# Altium PCB AD9361_EXT.PcbDoc (part 5 of 9)
Units mil, origin at the board's own origin, x right, y up, seen from the top; angles counter-clockwise.
Board outline 3145.03 x 1955.03 mil, 2 copper layers (Top Layer, Bottom Layer); 53 components, 59 nets, 286 pads, 253 vias.
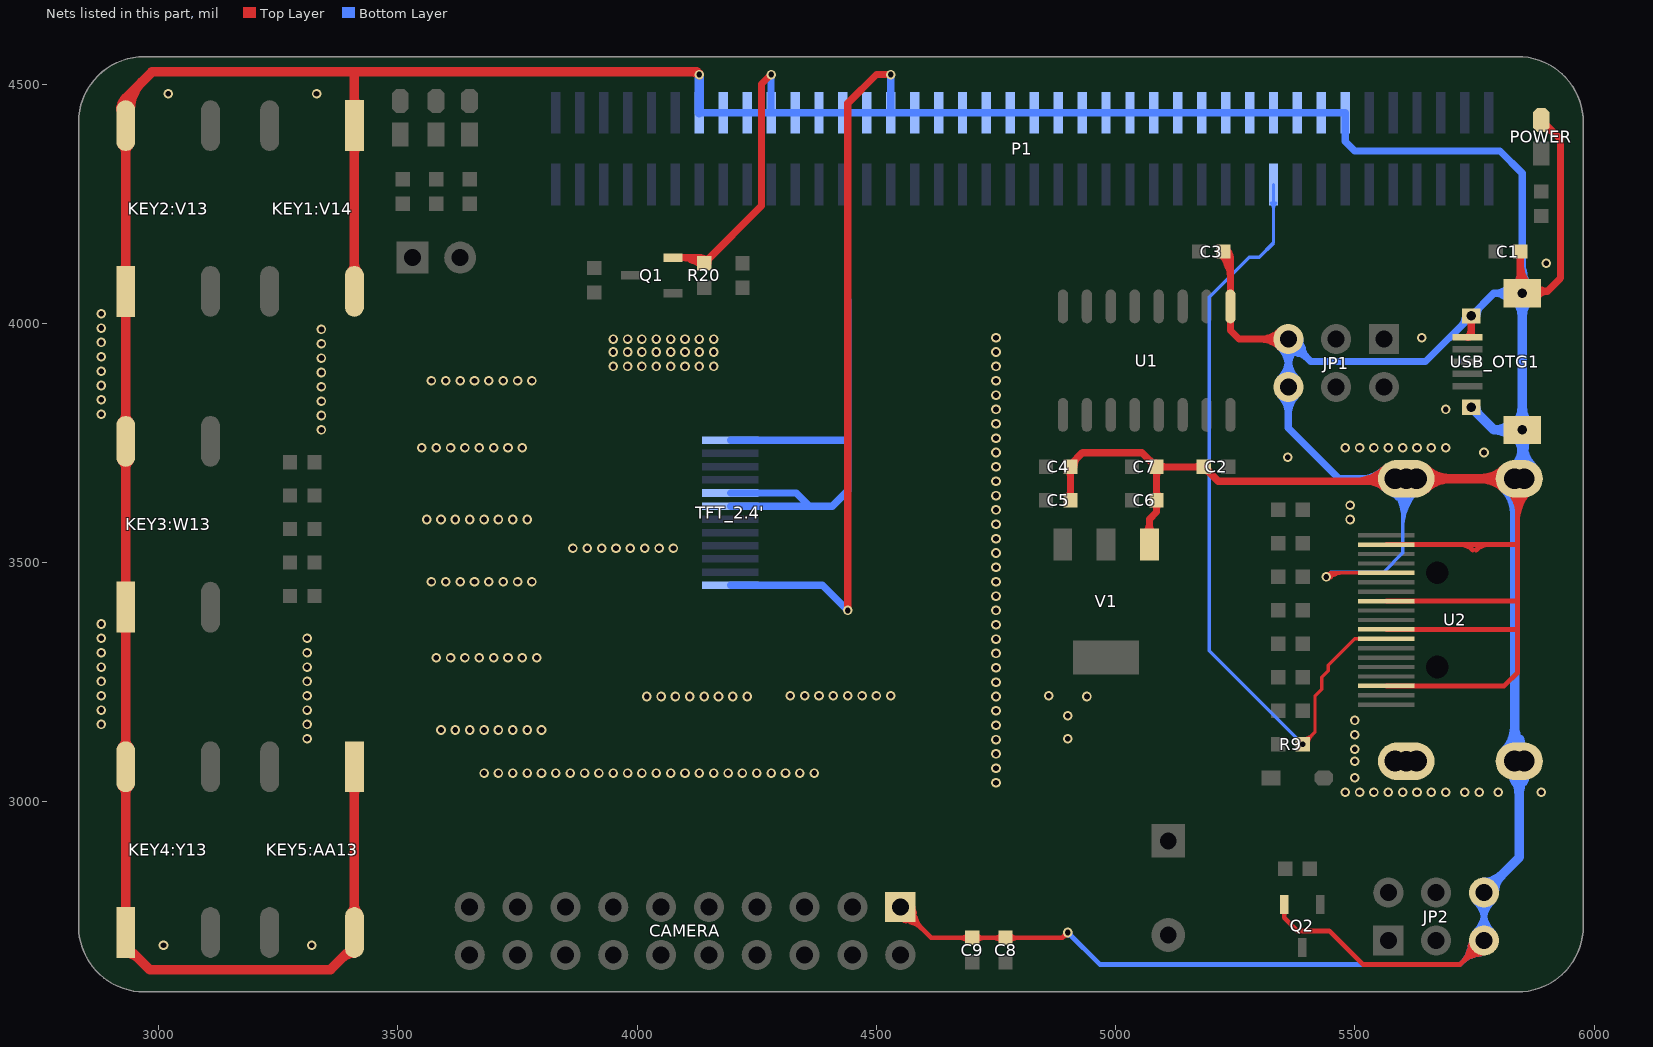
[diagram p5: the nets of this part, all layers, seen from the top]

## Via types
v1: diameter 20, hole 12, Top Layer to Bottom Layer, tented both sides, 253 vias

## Nets (pads, with @x,y where several pads share a name; then routed paths per layer and width w, separated by ;. In a path a pad name is that pad's centre, name@x,y a point inside that pad or via, vN(x,y) a via of type N, cw(c..) or ccw(c..) an arc to the next point about the centre after c; other vN are vias at no path point) (continued)
GND: (continued)
  Bottom Layer w20: P1.13@4130,4440 v1(4130,4520) ; USB_OTG1.5@5747.24,3824.53 5752.99,3818.78 5752.99,3814.84 5790.55,3777.28 USB_OTG1.5@5850,3777.28 ; JP2.6@5770,2810 5843.62,2883.62 U2.MH2@5843.62,3084.72 5833.94,3094.41 U2.MH3@5833.94,3675 U2.MH3@5833.66,3675.28 ; U2.MH3@5840.78,3688.15 U2.MH3@5850,3697.37 ; USB_OTG1.5@5850,4062.72 USB_OTG1.5@5850,3777.28 ; USB_OTG1.5@5752.99,3824.53 ccw(c5776.37,3824.53) 5759.84,3807.99 ; USB_OTG1.5@5752.99,3824.53 ccw(c5776.37,3824.53) 5759.84,3807.99 ; USB_OTG1.5@5752.99,3824.53 ccw(c5776.37,3824.53) 5759.84,3807.99 ; USB_OTG1.5@5752.99,3824.53 ccw(c5776.37,3824.53) 5759.84,3807.99 ; USB_OTG1.5@5752.99,3824.53 ccw(c5776.37,3824.53) 5759.84,3807.99 ; USB_OTG1.5@5752.99,3824.53 ccw(c5776.37,3824.53) 5759.84,3807.99 ; JP2.6@5770,2831.5 ccw(c5770,2883.39) 5806.7,2846.7 ; JP2.6@5770,2831.5 ccw(c5770,2883.39) 5806.7,2846.7 ; JP2.6@5770,2831.5 ccw(c5770,2883.39) 5806.7,2846.7 ; JP2.6@5770,2831.5 ccw(c5770,2883.39) 5806.7,2846.7 ; JP2.6@5791.5,2810 cw(c5843.39,2810) 5806.7,2846.7 ; JP2.6@5791.5,2810 cw(c5843.39,2810) 5806.7,2846.7 ; JP2.6@5791.5,2810 cw(c5843.39,2810) 5806.7,2846.7 ; JP2.6@5791.5,2810 cw(c5843.39,2810) 5806.7,2846.7 ; 5793.01,3777.28 cw(c5793.01,3730.14) USB_OTG1.5@5826.35,3763.48 ; 5793.01,3777.28 ccw(c5793.01,3824.43) USB_OTG1.5@5826.35,3791.09 ; 5793.01,3777.28 cw(c5793.01,3730.14) USB_OTG1.5@5826.35,3763.48 ; 5793.01,3777.28 ccw(c5793.01,3824.43) USB_OTG1.5@5826.35,3791.09 ; 5793.01,3777.28 cw(c5793.01,3730.14) USB_OTG1.5@5826.35,3763.48 ; 5793.01,3777.28 ccw(c5793.01,3824.43) USB_OTG1.5@5826.35,3791.09 ; 5793.01,3777.28 cw(c5793.01,3730.14) USB_OTG1.5@5826.35,3763.48 ; 5793.01,3777.28 ccw(c5793.01,3824.43) USB_OTG1.5@5826.35,3791.09 ; 5793.01,3777.28 cw(c5793.01,3730.14) USB_OTG1.5@5826.35,3763.48 ; 5793.01,3777.28 ccw(c5793.01,3824.43) USB_OTG1.5@5826.35,3791.09 ; 5793.01,3777.28 cw(c5793.01,3730.14) USB_OTG1.5@5826.35,3763.48 ; 5793.01,3777.28 ccw(c5793.01,3824.43) USB_OTG1.5@5826.35,3791.09 ; U2.MH2@5813.01,3105.49 ccw(c5762.49,3156.01) 5833.94,3156.01 ; U2.MH2@5813.01,3105.49 ccw(c5762.49,3156.01) 5833.94,3156.01 ; U2.MH2@5813.01,3105.49 ccw(c5762.49,3156.01) 5833.94,3156.01 ; U2.MH2@5813.01,3105.49 ccw(c5762.49,3156.01) 5833.94,3156.01 ; U2.MH2@5813.01,3105.49 ccw(c5762.49,3156.01) 5833.94,3156.01 ; U2.MH2@5813.01,3105.49 ccw(c5762.49,3156.01) 5833.94,3156.01 ; U2.MH3@5813.01,3654.51 cw(c5762.49,3603.99) 5833.94,3603.99 ; U2.MH3@5813.01,3654.51 cw(c5762.49,3603.99) 5833.94,3603.99 ; U2.MH3@5813.01,3654.51 cw(c5762.49,3603.99) 5833.94,3603.99 ; U2.MH3@5813.01,3654.51 cw(c5762.49,3603.99) 5833.94,3603.99 ; U2.MH3@5813.01,3654.51 cw(c5762.49,3603.99) 5833.94,3603.99 ; U2.MH3@5813.01,3654.51 cw(c5762.49,3603.99) 5833.94,3603.99 ; U2.MH2@5822.85,3063.96 cw(c5772.72,3013.82) 5843.62,3013.82 ; U2.MH2@5822.85,3063.96 cw(c5772.72,3013.82) 5843.62,3013.82 ; U2.MH2@5822.85,3063.96 cw(c5772.72,3013.82) 5843.62,3013.82 ; U2.MH2@5822.85,3063.96 cw(c5772.72,3013.82) 5843.62,3013.82 ; U2.MH2@5822.85,3063.96 cw(c5772.72,3013.82) 5843.62,3013.82 ; U2.MH2@5822.85,3063.96 cw(c5772.72,3013.82) 5843.62,3013.82 ; U2.MH2@5823.51,3062.82 cw(c5843.04,3074.1) U2.MH2@5828.59,3091.41 ; U2.MH2@5823.51,3062.82 cw(c5843.04,3074.1) U2.MH2@5828.59,3091.41 ; U2.MH2@5823.51,3062.82 cw(c5843.04,3074.1) U2.MH2@5828.59,3091.41 ; U2.MH2@5823.51,3062.82 cw(c5843.04,3074.1) U2.MH2@5828.59,3091.41 ; U2.MH2@5823.51,3062.82 cw(c5843.04,3074.1) U2.MH2@5828.59,3091.41 ; U2.MH2@5823.51,3062.82 cw(c5843.04,3074.1) U2.MH2@5828.59,3091.41 ; U2.MH2@5823.51,3062.82 cw(c5843.04,3074.1) U2.MH2@5828.59,3091.41 ; U2.MH2@5823.51,3062.82 cw(c5843.04,3074.1) U2.MH2@5828.59,3091.41 ; U2.MH2@5823.51,3062.82 cw(c5843.04,3074.1) U2.MH2@5828.59,3091.41 ; U2.MH2@5823.51,3062.82 cw(c5843.04,3074.1) U2.MH2@5828.59,3091.41 ; U2.MH2@5823.51,3062.82 cw(c5843.04,3074.1) U2.MH2@5828.59,3091.41 ; U2.MH2@5823.51,3062.82 cw(c5843.04,3074.1) U2.MH2@5828.59,3091.41 ; U2.MH2@5823.51,3062.82 cw(c5843.04,3074.1) U2.MH2@5828.59,3091.41 ; U2.MH2@5823.51,3062.82 cw(c5843.04,3074.1) U2.MH2@5828.59,3091.41 ; U2.MH2@5823.51,3062.82 cw(c5843.04,3074.1) U2.MH2@5828.59,3091.41 ; U2.MH2@5823.51,3062.82 cw(c5843.04,3074.1) U2.MH2@5828.59,3091.41 ; U2.MH2@5823.51,3062.82 cw(c5843.04,3074.1) U2.MH2@5828.59,3091.41 ; U2.MH2@5823.51,3062.82 cw(c5843.04,3074.1) U2.MH2@5828.59,3091.41 ; U2.MH2@5825.7,3076.76 cw(c5782.42,3033.48) 5843.62,3033.48 ; U2.MH2@5825.7,3076.76 cw(c5782.42,3033.48) 5843.62,3033.48 ; U2.MH2@5825.7,3076.76 cw(c5782.42,3033.48) 5843.62,3033.48 ; U2.MH2@5825.7,3076.76 cw(c5782.42,3033.48) 5843.62,3033.48 ; U2.MH2@5825.7,3076.76 cw(c5782.42,3033.48) 5843.62,3033.48 ; U2.MH2@5825.7,3076.76 cw(c5782.42,3033.48) 5843.62,3033.48 ; U2.MH2@5825.7,3093.24 ccw(c5805.8,3113.13) U2.MH2@5833.94,3113.13 ; U2.MH2@5825.7,3093.24 ccw(c5805.8,3113.13) U2.MH2@5833.94,3113.13 ; U2.MH2@5825.7,3093.24 ccw(c5805.8,3113.13) U2.MH2@5833.94,3113.13 ; U2.MH2@5825.7,3093.24 ccw(c5805.8,3113.13) U2.MH2@5833.94,3113.13 ; U2.MH3@5825.7,3666.76 cw(c5805.8,3646.87) U2.MH3@5833.94,3646.87 ; U2.MH3@5825.7,3666.76 cw(c5805.8,3646.87) U2.MH3@5833.94,3646.87 ; U2.MH3@5825.7,3666.76 cw(c5805.8,3646.87) U2.MH3@5833.94,3646.87 ; U2.MH3@5825.7,3666.76 cw(c5805.8,3646.87) U2.MH3@5833.94,3646.87 ; U2.MH3@5825.7,3666.76 cw(c5805.8,3646.87) U2.MH3@5833.94,3646.87 ; U2.MH3@5825.7,3666.76 cw(c5805.8,3646.87) U2.MH3@5833.94,3646.87 ; U2.MH3@5825.7,3683.24 ccw(c5767.02,3741.91) 5850,3741.91 ; U2.MH3@5825.7,3683.24 ccw(c5767.02,3741.91) 5850,3741.91 ; U2.MH3@5825.7,3683.24 ccw(c5767.02,3741.91) 5850,3741.91 ; U2.MH3@5825.7,3683.24 ccw(c5767.02,3741.91) 5850,3741.91 ; U2.MH3@5825.7,3683.24 ccw(c5767.02,3741.91) 5850,3741.91 ; U2.MH3@5825.7,3683.24 ccw(c5767.02,3741.91) 5850,3741.91 ; U2.MH2@5828.99,3095.55 ccw(c5816.71,3121.71) 5844.13,3130.86 ; U2.MH2@5828.99,3095.55 ccw(c5816.71,3121.71) 5844.13,3130.86 ; U2.MH2@5828.99,3095.55 ccw(c5816.71,3121.71) 5844.13,3130.86 ; U2.MH2@5828.99,3095.55 ccw(c5816.71,3121.71) 5844.13,3130.86 ; U2.MH2@5828.99,3095.55 ccw(c5816.71,3121.71) 5844.13,3130.86 ; U2.MH2@5828.99,3095.55 ccw(c5816.71,3121.71) 5844.13,3130.86 ; U2.MH2@5828.99,3095.55 ccw(c5816.71,3121.71) 5844.13,3130.86 ; U2.MH2@5828.99,3095.55 ccw(c5816.71,3121.71) 5844.13,3130.86 ; U2.MH2@5828.99,3095.55 ccw(c5816.71,3121.71) 5844.13,3130.86 ; U2.MH2@5828.99,3095.55 ccw(c5816.71,3121.71) 5844.13,3130.86 ; U2.MH2@5828.99,3095.55 ccw(c5816.71,3121.71) 5844.13,3130.86 ; U2.MH2@5828.99,3095.55 ccw(c5816.71,3121.71) 5844.13,3130.86 ; U2.MH2@5828.99,3095.55 ccw(c5816.71,3121.71) 5844.13,3130.86 ; U2.MH2@5828.99,3095.55 ccw(c5816.71,3121.71) 5844.13,3130.86 ; U2.MH2@5828.99,3095.55 ccw(c5816.71,3121.71) 5844.13,3130.86 ; U2.MH3@5828.99,3664.45 cw(c5816.71,3638.29) 5844.13,3629.14 ; U2.MH3@5828.99,3664.45 cw(c5816.71,3638.29) 5844.13,3629.14 ; U2.MH3@5828.99,3664.45 cw(c5816.71,3638.29) 5844.13,3629.14 ; U2.MH3@5828.99,3664.45 cw(c5816.71,3638.29) 5844.13,3629.14 ; U2.MH3@5828.99,3664.45 cw(c5816.71,3638.29) 5844.13,3629.14 ; U2.MH3@5828.99,3664.45 cw(c5816.71,3638.29) 5844.13,3629.14 ; U2.MH3@5828.99,3664.45 cw(c5816.71,3638.29) 5844.13,3629.14 ; U2.MH3@5828.99,3664.45 cw(c5816.71,3638.29) 5844.13,3629.14 ; U2.MH3@5828.99,3664.45 cw(c5816.71,3638.29) 5844.13,3629.14 ; U2.MH3@5828.99,3664.45 cw(c5816.71,3638.29) 5844.13,3629.14 ; U2.MH3@5828.99,3664.45 cw(c5816.71,3638.29) 5844.13,3629.14 ; U2.MH3@5828.99,3664.45 cw(c5816.71,3638.29) 5844.13,3629.14 ; U2.MH3@5828.99,3664.45 cw(c5816.71,3638.29) 5844.13,3629.14 ; U2.MH3@5828.99,3664.45 cw(c5816.71,3638.29) 5844.13,3629.14 ; U2.MH3@5828.99,3664.45 cw(c5816.71,3638.29) 5844.13,3629.14 ; U2.MH3@5832.7,3696.04 ccw(c5790.92,3737.82) 5850,3737.82 ; U2.MH3@5832.7,3696.04 ccw(c5790.92,3737.82) 5850,3737.82 ; U2.MH3@5832.7,3696.04 ccw(c5790.92,3737.82) 5850,3737.82 ; U2.MH3@5832.7,3696.04 ccw(c5790.92,3737.82) 5850,3737.82 ; U2.MH3@5832.7,3696.04 ccw(c5790.92,3737.82) 5850,3737.82 ; U2.MH3@5832.7,3696.04 ccw(c5790.92,3737.82) 5850,3737.82 ; U2.MH2@5833.82,3112.33 ccw(c5868.39,3107.31) U2.MH2@5849.4,3077.99 ; U2.MH2@5833.82,3112.33 ccw(c5868.39,3107.31) U2.MH2@5849.4,3077.99 ; U2.MH2@5833.82,3112.33 ccw(c5868.39,3107.31) U2.MH2@5849.4,3077.99 ; U2.MH2@5833.82,3112.33 ccw(c5868.39,3107.31) U2.MH2@5849.4,3077.99 ; U2.MH2@5833.82,3112.33 ccw(c5868.39,3107.31) U2.MH2@5849.4,3077.99 ; U2.MH2@5833.82,3112.33 ccw(c5868.39,3107.31) U2.MH2@5849.4,3077.99 ; U2.MH2@5833.82,3112.33 ccw(c5868.39,3107.31) U2.MH2@5849.4,3077.99 ; U2.MH2@5833.82,3112.33 ccw(c5868.39,3107.31) U2.MH2@5849.4,3077.99 ; U2.MH2@5833.82,3112.33 ccw(c5868.39,3107.31) U2.MH2@5849.4,3077.99 ; U2.MH2@5833.82,3112.33 ccw(c5868.39,3107.31) U2.MH2@5849.4,3077.99 ; U2.MH2@5833.82,3112.33 ccw(c5868.39,3107.31) U2.MH2@5849.4,3077.99 ; U2.MH2@5833.82,3112.33 ccw(c5868.39,3107.31) U2.MH2@5849.4,3077.99 ; U2.MH2@5833.82,3112.33 ccw(c5868.39,3107.31) U2.MH2@5849.4,3077.99 ; U2.MH3@5833.82,3647.67 cw(c5868.39,3652.69) U2.MH3@5849.4,3682.01 ; U2.MH3@5833.82,3647.67 cw(c5868.39,3652.69) U2.MH3@5849.4,3682.01 ; U2.MH3@5833.82,3647.67 cw(c5868.39,3652.69) U2.MH3@5849.4,3682.01 ; U2.MH3@5833.82,3647.67 cw(c5868.39,3652.69) U2.MH3@5849.4,3682.01 ; U2.MH3@5833.82,3647.67 cw(c5868.39,3652.69) U2.MH3@5849.4,3682.01 ; U2.MH3@5833.82,3647.67 cw(c5868.39,3652.69) U2.MH3@5849.4,3682.01 ; U2.MH3@5833.82,3647.67 cw(c5868.39,3652.69) U2.MH3@5849.4,3682.01 ; U2.MH3@5833.82,3647.67 cw(c5868.39,3652.69) U2.MH3@5849.4,3682.01 ; U2.MH3@5833.82,3647.67 cw(c5868.39,3652.69) U2.MH3@5849.4,3682.01 ; U2.MH3@5833.82,3647.67 cw(c5868.39,3652.69) U2.MH3@5849.4,3682.01 ; U2.MH3@5833.82,3647.67 cw(c5868.39,3652.69) U2.MH3@5849.4,3682.01 ; U2.MH3@5833.82,3647.67 cw(c5868.39,3652.69) U2.MH3@5849.4,3682.01 ; U2.MH3@5833.82,3647.67 cw(c5868.39,3652.69) U2.MH3@5849.4,3682.01 ; U2.MH3@5833.82,3647.67 cw(c5868.39,3652.69) U2.MH3@5849.4,3682.01 ; U2.MH3@5833.82,3647.67 cw(c5868.39,3652.69) U2.MH3@5849.4,3682.01 ; U2.MH3@5833.82,3647.67 cw(c5868.39,3652.69) U2.MH3@5849.4,3682.01 ; U2.MH3@5833.82,3647.67 cw(c5868.39,3652.69) U2.MH3@5849.4,3682.01 ; U2.MH3@5833.82,3647.67 cw(c5868.39,3652.69) U2.MH3@5849.4,3682.01 ; U2.MH3@5833.82,3647.67 cw(c5868.39,3652.69) U2.MH3@5849.4,3682.01 ; U2.MH3@5833.82,3647.67 cw(c5868.39,3652.69) U2.MH3@5849.4,3682.01 ; U2.MH3@5833.82,3647.67 cw(c5868.39,3652.69) U2.MH3@5849.4,3682.01 ; U2.MH2@5833.94,3113.13 ccw(c5882.07,3113.13) U2.MH2@5848.04,3079.1 ; U2.MH2@5833.94,3113.13 ccw(c5862.07,3113.13) U2.MH2@5842.18,3093.24 ; U2.MH2@5833.94,3113.13 ccw(c5882.07,3113.13) U2.MH2@5848.04,3079.1 ; U2.MH2@5833.94,3113.13 ccw(c5862.07,3113.13) U2.MH2@5842.18,3093.24 ; U2.MH2@5833.94,3113.13 ccw(c5882.07,3113.13) U2.MH2@5848.04,3079.1 ; U2.MH2@5833.94,3113.13 ccw(c5862.07,3113.13) U2.MH2@5842.18,3093.24 ; U2.MH2@5833.94,3113.13 ccw(c5882.07,3113.13) U2.MH2@5848.04,3079.1 ; U2.MH2@5833.94,3113.13 ccw(c5862.07,3113.13) U2.MH2@5842.18,3093.24 ; U2.MH2@5833.94,3113.13 ccw(c5882.07,3113.13) U2.MH2@5848.04,3079.1 ; U2.MH2@5833.94,3113.13 ccw(c5862.07,3113.13) U2.MH2@5842.18,3093.24 ; U2.MH2@5833.94,3113.13 ccw(c5882.07,3113.13) U2.MH2@5848.04,3079.1 ; U2.MH2@5833.94,3113.13 ccw(c5862.07,3113.13) U2.MH2@5842.18,3093.24 ; 5833.94,3155.25 ccw(c5904.31,3155.25) U2.MH2@5854.55,3105.49 ; 5833.94,3155.25 ccw(c5904.31,3155.25) U2.MH2@5854.55,3105.49 ; 5833.94,3155.25 ccw(c5904.31,3155.25) U2.MH2@5854.55,3105.49 ; 5833.94,3155.25 ccw(c5904.31,3155.25) U2.MH2@5854.55,3105.49 ; 5833.94,3155.25 ccw(c5904.31,3155.25) U2.MH2@5854.55,3105.49 ; 5833.94,3155.25 ccw(c5904.31,3155.25) U2.MH2@5854.55,3105.49 ; 5833.94,3161.42 ccw(c5930.36,3161.42) U2.MH2@5862.18,3093.24 ; 5833.94,3161.42 ccw(c5930.36,3161.42) U2.MH2@5862.18,3093.24 ; 5833.94,3161.42 ccw(c5930.36,3161.42) U2.MH2@5862.18,3093.24 ; 5833.94,3161.42 ccw(c5930.36,3161.42) U2.MH2@5862.18,3093.24 ; 5833.94,3161.42 ccw(c5930.36,3161.42) U2.MH2@5862.18,3093.24 ; 5833.94,3161.42 ccw(c5930.36,3161.42) U2.MH2@5862.18,3093.24 ; 5833.94,3598.58 cw(c5930.36,3598.58) U2.MH3@5862.18,3666.76 ; 5833.94,3598.58 cw(c5930.36,3598.58) U2.MH3@5862.18,3666.76 ; 5833.94,3598.58 cw(c5930.36,3598.58) U2.MH3@5862.18,3666.76 ; 5833.94,3598.58 cw(c5930.36,3598.58) U2.MH3@5862.18,3666.76 ; 5833.94,3598.58 cw(c5930.36,3598.58) U2.MH3@5862.18,3666.76 ; 5833.94,3598.58 cw(c5930.36,3598.58) U2.MH3@5862.18,3666.76 ; 5833.94,3604.75 cw(c5904.31,3604.75) U2.MH3@5854.55,3654.51 ; 5833.94,3604.75 cw(c5904.31,3604.75) U2.MH3@5854.55,3654.51 ; 5833.94,3604.75 cw(c5904.31,3604.75) U2.MH3@5854.55,3654.51 ; 5833.94,3604.75 cw(c5904.31,3604.75) U2.MH3@5854.55,3654.51 ; 5833.94,3604.75 cw(c5904.31,3604.75) U2.MH3@5854.55,3654.51 ; 5833.94,3604.75 cw(c5904.31,3604.75) U2.MH3@5854.55,3654.51 ; U2.MH3@5833.94,3646.87 cw(c5882.07,3646.87) U2.MH3@5848.04,3680.9 ; U2.MH3@5833.94,3646.87 cw(c5862.07,3646.87) U2.MH3@5842.18,3666.76 ; U2.MH3@5833.94,3646.87 cw(c5882.07,3646.87) U2.MH3@5848.04,3680.9 ; U2.MH3@5833.94,3646.87 cw(c5862.07,3646.87) U2.MH3@5842.18,3666.76 ; U2.MH3@5833.94,3646.87 cw(c5882.07,3646.87) U2.MH3@5848.04,3680.9 ; U2.MH3@5833.94,3646.87 cw(c5862.07,3646.87) U2.MH3@5842.18,3666.76 ; U2.MH3@5833.94,3646.87 cw(c5882.07,3646.87) U2.MH3@5848.04,3680.9 ; U2.MH3@5833.94,3646.87 cw(c5862.07,3646.87) U2.MH3@5842.18,3666.76 ; U2.MH3@5833.94,3646.87 cw(c5882.07,3646.87) U2.MH3@5848.04,3680.9 ; U2.MH3@5833.94,3646.87 cw(c5862.07,3646.87) U2.MH3@5842.18,3666.76 ; U2.MH3@5833.94,3646.87 cw(c5882.07,3646.87) U2.MH3@5848.04,3680.9 ; U2.MH3@5833.94,3646.87 cw(c5862.07,3646.87) U2.MH3@5842.18,3666.76 ; 5835.4,3042.23 cw(c5858.5,3055.57) U2.MH2@5841.41,3076.05 ; 5835.4,3042.23 cw(c5858.5,3055.57) U2.MH2@5841.41,3076.05 ; 5835.4,3042.23 cw(c5858.5,3055.57) U2.MH2@5841.41,3076.05 ; 5835.4,3042.23 cw(c5858.5,3055.57) U2.MH2@5841.41,3076.05 ; 5835.4,3042.23 cw(c5858.5,3055.57) U2.MH2@5841.41,3076.05 ; 5835.4,3042.23 cw(c5858.5,3055.57) U2.MH2@5841.41,3076.05 ; 5835.4,3042.23 cw(c5858.5,3055.57) U2.MH2@5841.41,3076.05 ; 5835.4,3042.23 cw(c5858.5,3055.57) U2.MH2@5841.41,3076.05 ; 5835.4,3042.23 cw(c5858.5,3055.57) U2.MH2@5841.41,3076.05 ; 5835.4,3042.23 cw(c5858.5,3055.57) U2.MH2@5841.41,3076.05 ; 5835.4,3042.23 cw(c5858.5,3055.57) U2.MH2@5841.41,3076.05 ; 5835.4,3042.23 cw(c5858.5,3055.57) U2.MH2@5841.41,3076.05 ; 5835.4,3042.23 cw(c5858.5,3055.57) U2.MH2@5841.41,3076.05 ; 5835.4,3042.23 cw(c5858.5,3055.57) U2.MH2@5841.41,3076.05 ; 5835.4,3042.23 cw(c5858.5,3055.57) U2.MH2@5841.41,3076.05 ; 5835.4,3042.23 cw(c5858.5,3055.57) U2.MH2@5841.41,3076.05 ; 5835.4,3042.23 cw(c5858.5,3055.57) U2.MH2@5841.41,3076.05 ; 5835.4,3042.23 cw(c5858.5,3055.57) U2.MH2@5841.41,3076.05 ; 5835.4,3042.23 cw(c5858.5,3055.57) U2.MH2@5841.41,3076.05 ; 5835.4,3042.23 cw(c5858.5,3055.57) U2.MH2@5841.41,3076.05 ; 5835.4,3042.23 cw(c5858.5,3055.57) U2.MH2@5841.41,3076.05 ; USB_OTG1.5@5836.19,3763.48 cw(c5802.86,3730.14) 5850,3730.14 ; USB_OTG1.5@5836.19,3763.48 cw(c5802.86,3730.14) 5850,3730.14 ; USB_OTG1.5@5836.19,3763.48 cw(c5802.86,3730.14) 5850,3730.14 ; USB_OTG1.5@5836.19,3763.48 cw(c5802.86,3730.14) 5850,3730.14 ; USB_OTG1.5@5836.19,3763.48 cw(c5802.86,3730.14) 5850,3730.14 ; USB_OTG1.5@5836.19,3763.48 cw(c5802.86,3730.14) 5850,3730.14 ; USB_OTG1.5@5836.19,3791.09 ccw(c5802.86,3824.43) 5850,3824.43 ; USB_OTG1.5@5836.19,3791.09 ccw(c5802.86,3824.43) 5850,3824.43 ; USB_OTG1.5@5836.19,3791.09 ccw(c5802.86,3824.43) 5850,3824.43 ; USB_OTG1.5@5836.19,3791.09 ccw(c5802.86,3824.43) 5850,3824.43 ; USB_OTG1.5@5836.19,3791.09 ccw(c5802.86,3824.43) 5850,3824.43 ; USB_OTG1.5@5836.19,3791.09 ccw(c5802.86,3824.43) 5850,3824.43 ; USB_OTG1.5@5836.19,4048.91 cw(c5802.86,4015.57) 5850,4015.57 ; USB_OTG1.5@5836.19,4048.91 cw(c5802.86,4015.57) 5850,4015.57 ; USB_OTG1.5@5836.19,4048.91 cw(c5802.86,4015.57) 5850,4015.57 ; USB_OTG1.5@5836.19,4048.91 cw(c5802.86,4015.57) 5850,4015.57 ; USB_OTG1.5@5836.19,4048.91 cw(c5802.86,4015.57) 5850,4015.57 ; USB_OTG1.5@5836.19,4048.91 cw(c5802.86,4015.57) 5850,4015.57 ; U2.MH2@5837.48,3077.44 ccw(c5826.33,3101.22) U2.MH2@5851.24,3109.53 ; U2.MH2@5837.48,3077.44 ccw(c5826.33,3101.22) U2.MH2@5851.24,3109.53 ; U2.MH2@5837.48,3077.44 ccw(c5826.33,3101.22) U2.MH2@5851.24,3109.53 ; U2.MH2@5837.48,3077.44 ccw(c5826.33,3101.22) U2.MH2@5851.24,3109.53 ; U2.MH2@5837.48,3077.44 ccw(c5826.33,3101.22) U2.MH2@5851.24,3109.53 ; U2.MH2@5837.48,3077.44 ccw(c5826.33,3101.22) U2.MH2@5851.24,3109.53 ; U2.MH2@5837.48,3077.44 ccw(c5826.33,3101.22) U2.MH2@5851.24,3109.53 ; U2.MH2@5837.48,3077.44 ccw(c5826.33,3101.22) U2.MH2@5851.24,3109.53 ; U2.MH2@5837.48,3077.44 ccw(c5826.33,3101.22) U2.MH2@5851.24,3109.53 ; U2.MH2@5837.48,3077.44 ccw(c5826.33,3101.22) U2.MH2@5851.24,3109.53 ; U2.MH2@5837.48,3077.44 ccw(c5826.33,3101.22) U2.MH2@5851.24,3109.53 ; U2.MH2@5837.48,3077.44 ccw(c5826.33,3101.22) U2.MH2@5851.24,3109.53 ; U2.MH2@5837.48,3077.44 ccw(c5826.33,3101.22) U2.MH2@5851.24,3109.53 ; U2.MH2@5837.48,3077.44 ccw(c5826.33,3101.22) U2.MH2@5851.24,3109.53 ; U2.MH2@5837.48,3077.44 ccw(c5826.33,3101.22) U2.MH2@5851.24,3109.53 ; U2.MH3@5837.48,3682.56 cw(c5826.33,3658.78) U2.MH3@5851.24,3650.47 ; U2.MH3@5837.48,3682.56 cw(c5826.33,3658.78) U2.MH3@5851.24,3650.47 ; U2.MH3@5837.48,3682.56 cw(c5826.33,3658.78) U2.MH3@5851.24,3650.47 ; U2.MH3@5837.48,3682.56 cw(c5826.33,3658.78) U2.MH3@5851.24,3650.47 ; U2.MH3@5837.48,3682.56 cw(c5826.33,3658.78) U2.MH3@5851.24,3650.47 ; U2.MH3@5837.48,3682.56 cw(c5826.33,3658.78) U2.MH3@5851.24,3650.47 ; U2.MH3@5837.48,3682.56 cw(c5826.33,3658.78) U2.MH3@5851.24,3650.47 ; U2.MH3@5837.48,3682.56 cw(c5826.33,3658.78) U2.MH3@5851.24,3650.47 ; U2.MH3@5837.48,3682.56 cw(c5826.33,3658.78) U2.MH3@5851.24,3650.47 ; U2.MH3@5837.48,3682.56 cw(c5826.33,3658.78) U2.MH3@5851.24,3650.47 ; U2.MH3@5837.48,3682.56 cw(c5826.33,3658.78) U2.MH3@5851.24,3650.47 ; U2.MH3@5837.48,3682.56 cw(c5826.33,3658.78) U2.MH3@5851.24,3650.47 ; U2.MH3@5837.48,3682.56 cw(c5826.33,3658.78) U2.MH3@5851.24,3650.47 ; U2.MH3@5837.48,3682.56 cw(c5826.33,3658.78) U2.MH3@5851.24,3650.47 ; U2.MH3@5837.48,3682.56 cw(c5826.33,3658.78) U2.MH3@5851.24,3650.47 ; U2.MH2@5838.29,3054.95 cw(c5853.14,3063.53) U2.MH2@5841.71,3076.31 ; U2.MH2@5838.29,3054.95 cw(c5853.14,3063.53) U2.MH2@5841.71,3076.31 ; U2.MH2@5838.29,3054.95 cw(c5853.14,3063.53) U2.MH2@5841.71,3076.31 ; U2.MH2@5838.29,3054.95 cw(c5853.14,3063.53) U2.MH2@5841.71,3076.31 ; U2.MH2@5838.29,3054.95 cw(c5853.14,3063.53) U2.MH2@5841.71,3076.31 ; U2.MH2@5838.29,3054.95 cw(c5853.14,3063.53) U2.MH2@5841.71,3076.31 ; U2.MH2@5838.29,3054.95 cw(c5853.14,3063.53) U2.MH2@5841.71,3076.31 ; U2.MH2@5838.29,3054.95 cw(c5853.14,3063.53) U2.MH2@5841.71,3076.31 ; U2.MH2@5838.29,3054.95 cw(c5853.14,3063.53) U2.MH2@5841.71,3076.31 ; U2.MH2@5838.29,3054.95 cw(c5853.14,3063.53) U2.MH2@5841.71,3076.31 ; U2.MH2@5838.29,3054.95 cw(c5853.14,3063.53) U2.MH2@5841.71,3076.31 ; U2.MH2@5838.29,3054.95 cw(c5853.14,3063.53) U2.MH2@5841.71,3076.31 ; U2.MH2@5838.29,3054.95 cw(c5853.14,3063.53) U2.MH2@5841.71,3076.31 ; U2.MH2@5838.29,3054.95 cw(c5853.14,3063.53) U2.MH2@5841.71,3076.31 ; U2.MH2@5838.29,3054.95 cw(c5853.14,3063.53) U2.MH2@5841.71,3076.31 ; 5839.45,3131.65 cw(c5796,3106.57) U2.MH2@5843.02,3089.07 ; 5839.45,3131.65 cw(c5796,3106.57) U2.MH2@5843.02,3089.07 ; 5839.45,3131.65 cw(c5796,3106.57) U2.MH2@5843.02,3089.07 ; 5839.45,3131.65 cw(c5796,3106.57) U2.MH2@5843.02,3089.07 ; 5839.45,3131.65 cw(c5796,3106.57) U2.MH2@5843.02,3089.07 ; 5839.45,3131.65 cw(c5796,3106.57) U2.MH2@5843.02,3089.07 ; 5839.45,3131.65 cw(c5796,3106.57) U2.MH2@5843.02,3089.07 ; 5839.45,3131.65 cw(c5796,3106.57) U2.MH2@5843.02,3089.07 ; 5839.45,3131.65 cw(c5796,3106.57) U2.MH2@5843.02,3089.07 ; 5839.45,3131.65 cw(c5796,3106.57) U2.MH2@5843.02,3089.07 ; 5839.45,3131.65 cw(c5796,3106.57) U2.MH2@5843.02,3089.07 ; 5839.45,3131.65 cw(c5796,3106.57) U2.MH2@5843.02,3089.07 ; 5839.45,3131.65 cw(c5796,3106.57) U2.MH2@5843.02,3089.07 ; 5839.45,3131.65 cw(c5796,3106.57) U2.MH2@5843.02,3089.07 ; 5839.45,3131.65 cw(c5796,3106.57) U2.MH2@5843.02,3089.07 ; 5839.45,3131.65 cw(c5796,3106.57) U2.MH2@5843.02,3089.07 ; 5839.45,3131.65 cw(c5796,3106.57) U2.MH2@5843.02,3089.07 ; 5839.45,3131.65 cw(c5796,3106.57) U2.MH2@5843.02,3089.07 